# KiCad board handheld.kicad_pcb (continued)
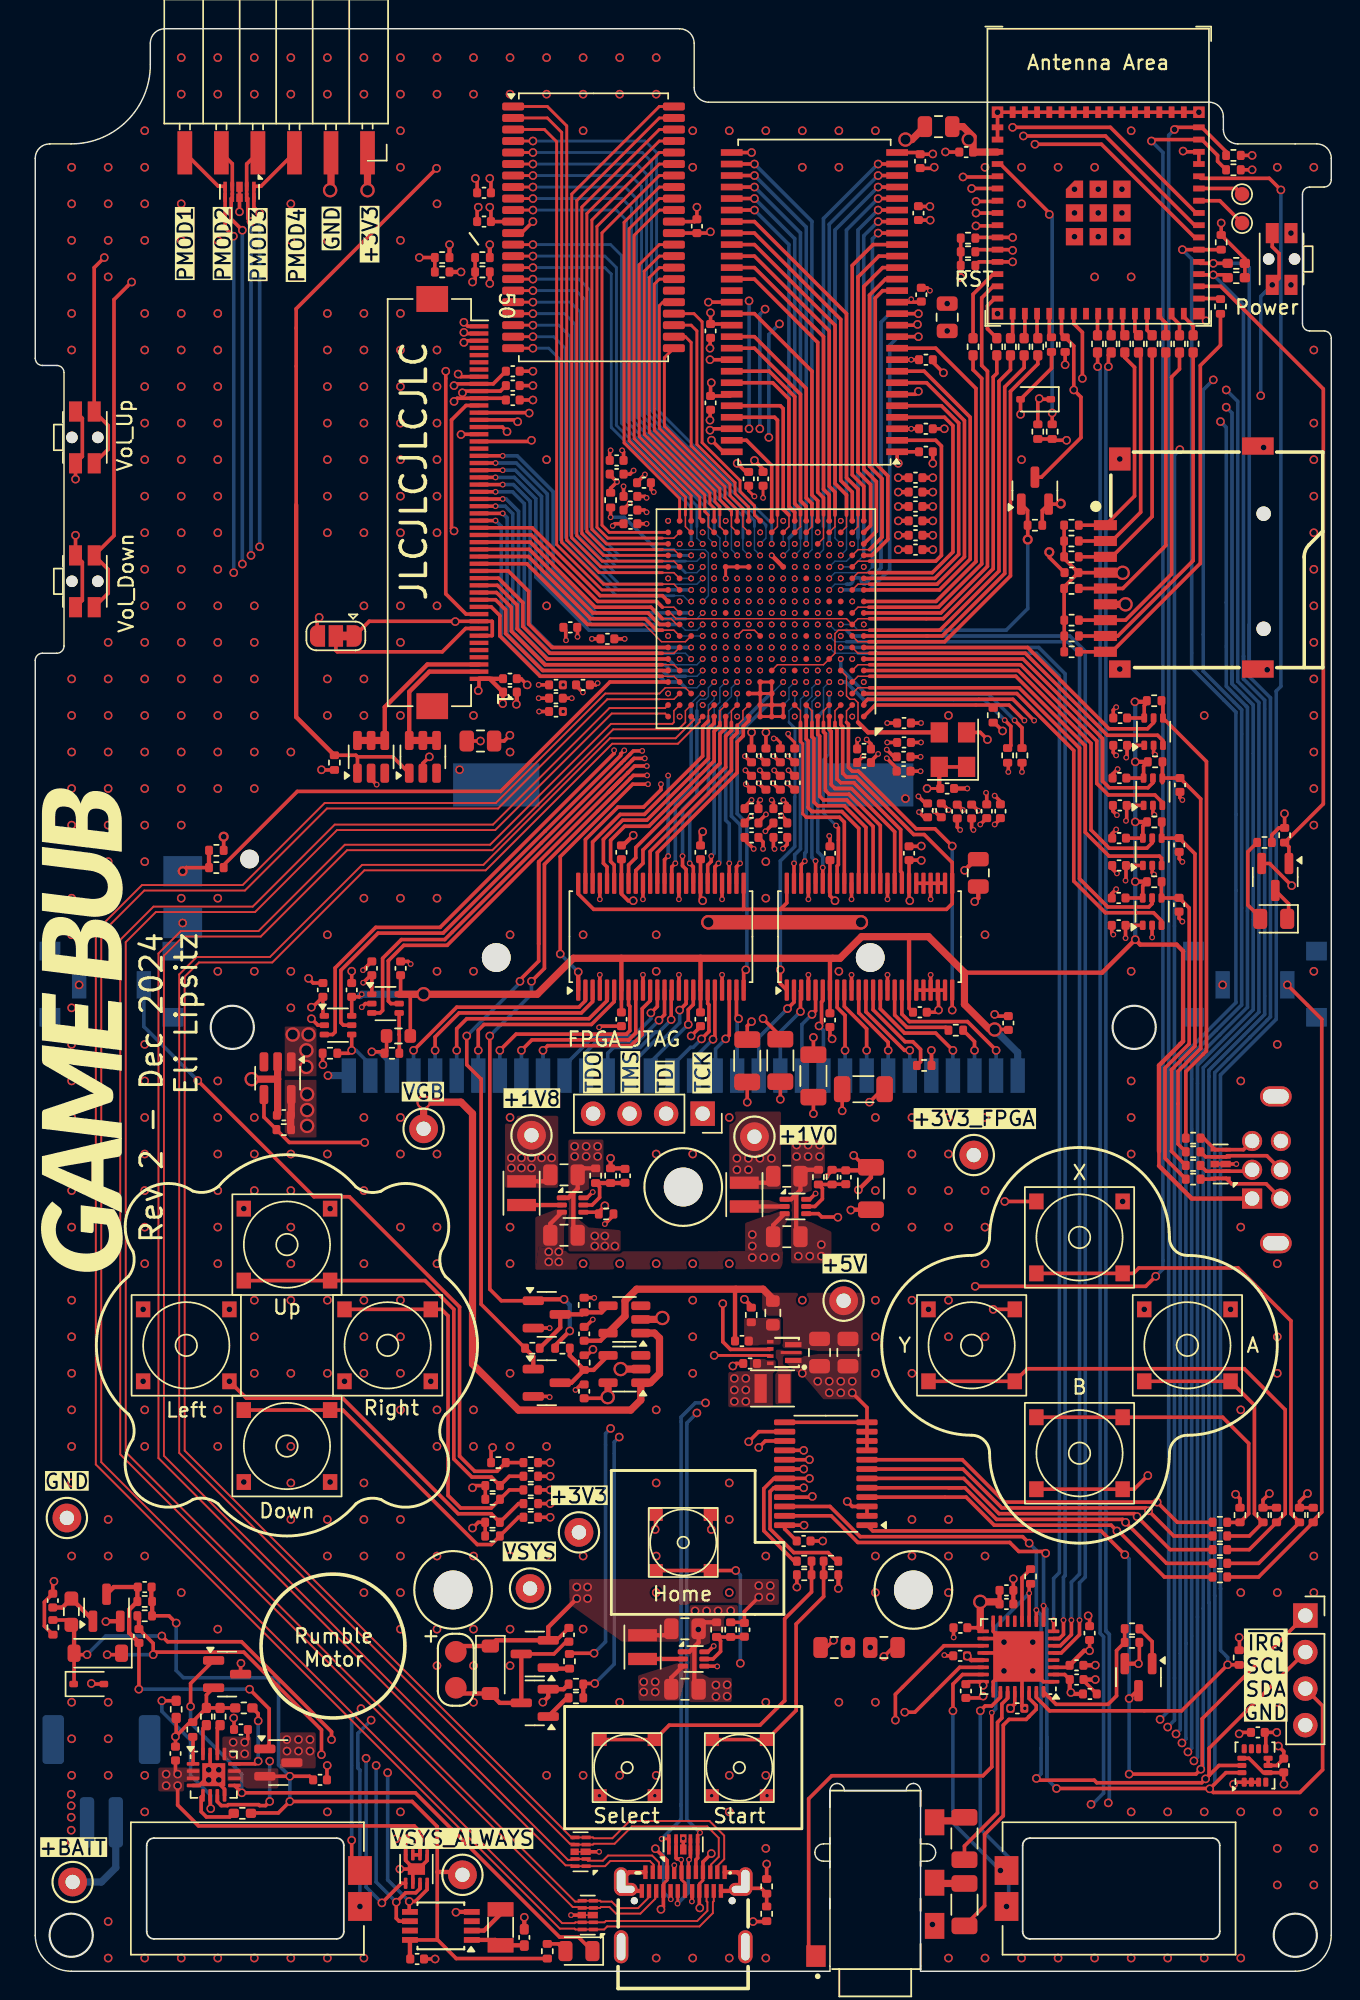
[diagram p0: board, top side]
## Nets (continued)
/ESP32-S3/ESP32_SDIO_CLK: R416.2 U401.28
/ESP32-S3/ESP32_SDIO_CMD: R418.1 U401.27
/ESP32-S3/ESP32_SDIO_D0: R417.2 U401.29
/ESP32-S3/ESP32_SDIO_D1: R419.1 U401.30
/ESP32-S3/ESP32_SDIO_D2: R415.1 U401.25
/ESP32-S3/ESP32_SDIO_D3: R414.2 U401.26
/ESP32-S3/ESP32_SPI2_CLK: R410.1 U401.16
/ESP32-S3/ESP32_SPI2_D0: R409.1 U401.15
/ESP32-S3/ESP32_SPI2_D1: R411.1 U401.17
/ESP32-S3/ESP32_SPI2_D2: R413.1 U401.18
/ESP32-S3/ESP32_SPI2_D3: R408.1 U401.13
/ESP32-S3/ESP32_TX: TP401.1 U401.39
/ESP32-S3/ESP32_USB_D+: R402.1 U401.24
/ESP32-S3/ESP32_USB_D-: R406.1 U401.23
/ESP32-S3/SD_Detect: R427.2 U401.31
/ESP32-S3/SD_Detect_s: J402.9 R426.1 R427.1
/ESP32-S3/SDIO_CLK: J402.5 R416.1 R423.2
/ESP32-S3/SDIO_CMD: J402.3 R418.2 R422.2
/ESP32-S3/SDIO_D0: J402.7 R417.1 R424.2
/ESP32-S3/SDIO_D1: J402.8 R419.2 R425.2
/ESP32-S3/SDIO_D2: J402.1 R415.2 R420.2
/ESP32-S3/SDIO_D3/~{CS}: J402.2 R414.1 R421.2
/ESP32-S3/STATUS_LED: Q401.1 R412.2 U401.32
/ESP32-S3/Status_LED_A: D401.2 R407.2
/ESP32-S3/Status_LED_K: D401.1 Q401.3
/FPGA Config/FPGA_JTAG_TCK: J701.1 U601.E10
/FPGA Config/FPGA_JTAG_TDI: J701.2 U601.E11
/FPGA Config/FPGA_JTAG_TDO: J701.4 U601.E13
/FPGA Config/FPGA_JTAG_TMS: J701.3 U601.E12
/FPGA IO Bank 14/FPGA_PUDC_B: R801.1 U601.L15
/FPGA IO Bank 14/PMOD_1: D801.5 D801.6 J801.6 U601.M14
/FPGA IO Bank 14/PMOD_2: D801.4 D801.7 J801.5 U601.N14
/FPGA IO Bank 14/PMOD_3: D801.2 D801.9 J801.4 U601.P14
/FPGA IO Bank 14/PMOD_4: D801.1 D801.10 J801.3 U601.M13
/FPGA IO Bank 16/BANK16_VCCO: U601.A8 U601.A9 U601.A10 U601.B8 U601.B9 U601.B10 U601.C9 U601.C10 U601.C11 U601.D9 U601.D10
/FPGA IO Bank 35/FPGA_IRQ: Q1201.1 R1203.1 U601.J3
/FPGA IO Bank 35/USB_SBU_1: R1201.2 U601.F3
/FPGA IO Bank 35/USB_SBU_2: R1202.2 U601.D3
/Game Boy Interfaces/Game Boy Cartridge/Cart_A16: J1901.22 U1902.12
/Game Boy Interfaces/Game Boy Cartridge/Cart_A17: J1901.23 U1902.11
/Game Boy Interfaces/Game Boy Cartridge/Cart_A18: J1901.24 U1902.9
/Game Boy Interfaces/Game Boy Cartridge/Cart_A19: J1901.25 U1902.8
/Game Boy Interfaces/Game Boy Cartridge/Cart_A20: J1901.26 U1902.6
/Game Boy Interfaces/Game Boy Cartridge/Cart_A21: J1901.27 U1902.5
/Game Boy Interfaces/Game Boy Cartridge/Cart_A22: J1901.28 U1902.3
/Game Boy Interfaces/Game Boy Cartridge/Cart_A23: J1901.29 U1902.2
/Game Boy Interfaces/Game Boy Cartridge/Cart_AD0: J1901.6 U1904.12
/Game Boy Interfaces/Game Boy Cartridge/Cart_AD1: J1901.7 U1904.11
/Game Boy Interfaces/Game Boy Cartridge/Cart_AD2: J1901.8 U1904.9
/Game Boy Interfaces/Game Boy Cartridge/Cart_AD3: J1901.9 U1904.8
/Game Boy Interfaces/Game Boy Cartridge/Cart_AD4: J1901.10 U1904.6
/Game Boy Interfaces/Game Boy Cartridge/Cart_AD5: J1901.11 U1904.5
/Game Boy Interfaces/Game Boy Cartridge/Cart_AD6: J1901.12 U1904.3
/Game Boy Interfaces/Game Boy Cartridge/Cart_AD7: J1901.13 U1904.2
/Game Boy Interfaces/Game Boy Cartridge/Cart_AD8: J1901.14 U1902.23
/Game Boy Interfaces/Game Boy Cartridge/Cart_AD9: J1901.15 U1902.22
/Game Boy Interfaces/Game Boy Cartridge/Cart_AD10: J1901.16 U1902.20
/Game Boy Interfaces/Game Boy Cartridge/Cart_AD11: J1901.17 U1902.19
/Game Boy Interfaces/Game Boy Cartridge/Cart_AD12: J1901.18 U1902.17
/Game Boy Interfaces/Game Boy Cartridge/Cart_AD13: J1901.19 U1902.16
/Game Boy Interfaces/Game Boy Cartridge/Cart_AD14: J1901.20 U1902.14
/Game Boy Interfaces/Game Boy Cartridge/Cart_AD15: J1901.21 U1902.13
/Game Boy Interfaces/Game Boy Cartridge/Cart_PHI: J1901.2 U1904.17
/Game Boy Interfaces/Game Boy Cartridge/Cart_VIN: J1901.31 R1903.2 U1903.4
/Game Boy Interfaces/Game Boy Cartridge/Cart_~{CS1}: R1902.1 U1904.13
/Game Boy Interfaces/Game Boy Cartridge/Cart_~{CS1}_d: J1901.5 R1902.2
/Game Boy Interfaces/Game Boy Cartridge/Cart_~{CS2}: R1905.2 U1901.4
/Game Boy Interfaces/Game Boy Cartridge/Cart_~{CS2}_d: J1901.30 R1904.2 R1905.1
/Game Boy Interfaces/Game Boy Cartridge/Cart_~{RD}: J1901.4 U1904.14
/Game Boy Interfaces/Game Boy Cartridge/Cart_~{WR}: R1901.2 U1904.16
/Game Boy Interfaces/Game Boy Cartridge/Cart_~{WR}_d: J1901.3 R1901.1
/Game Boy Interfaces/Game Boy Link/Link_SC: R2004.2 R2008.2 U2004.4
/Game Boy Interfaces/Game Boy Link/Link_SC_a: D2001.5 D2001.6 J2001.5 R2004.1
/Game Boy Interfaces/Game Boy Link/Link_SD: C2001.1 R2003.2 R2006.2 U2002.4
/Game Boy Interfaces/Game Boy Link/Link_SD_a: D2001.4 D2001.7 J2001.4 R2003.1
/Game Boy Interfaces/Game Boy Link/Link_SI: C2002.1 R2002.2 R2007.2 U2003.4
/Game Boy Interfaces/Game Boy Link/Link_SI_a: D2001.2 D2001.9 J2001.3 R2002.1
/Game Boy Interfaces/Game Boy Link/Link_SO: C2003.1 R2001.2 R2005.2 U2001.4
/Game Boy Interfaces/Game Boy Link/Link_SO_a: D2001.1 D2001.10 J2001.2 R2001.1
/Game Boy Interfaces/SW_Cartridge_s: R1803.2 R1805.1 SW1801.1
/Game Boy Interfaces/VGB_3V3_SW_En: Q1802.3 R1804.2 R1806.2 U1802.4
/Game Boy Interfaces/VGB_5V_SW_En: Q1801.3 R1801.2 R1802.2 U1801.4
/LCD/Backlight_Cathode_1: J1301.2 U1301.4 U1301.5 U1301.6
/LCD/Backlight_Cathode_2: J1301.3 U1302.4 U1302.5 U1302.6
/LCD/LCD_IM1: J1301.8 JP1301.2
/Peripherals/RTC_INT: U1502.3
/Peripherals/RTC_OSCI: C1505.2 U1502.1 Y1501.1
/Peripherals/RTC_OSCO: U1502.2 Y1501.2
/Peripherals/Vibrate_FET_g: Q1502.1 R1503.2
/Peripherals/Vibrate_N: C1503.1 D1501.2 J1501.2 Q1501.3 Q1502.3
/Peripherals/~{Vibrate_Brake}_g: Q1501.1 R1502.2
/Power Path/BTN_Power_s: C207.2 D204.1 R209.2 SW201.1
/Power Path/Charge_LED_A: D201.2 R207.2
/Power Path/PWR_EN1: R202.2 U202.6
/Power Path/PWR_EN2: R203.2 U202.5
/Power Path/PWR_ILIM: R205.1 U202.12
/Power Path/PWR_ISET: R206.2 U202.16
/Power Path/PWR_SW_nFET_g: C205.2 Q203.1 R212.1
/Power Path/PWR_SW_pFET_g: C206.2 C207.1 Q202.1 Q203.3 R210.2
/Power Path/PWR_TMR: R201.1 U202.14
/Power Path/PWR_TS: R204.1 U202.1
/Power Path/~{CHG}: D201.1 Q201.1 U202.9
/Power Path/~{POWER_SW_a}: D202.2 D203.1 D204.2 R211.2 R212.2 R213.1
/Power Regulators/Boost_5V_FB: C305.1 R304.2 R307.1 U302.4
/Power Regulators/Boost_5V_SW: L302.2 U302.2
/Power Regulators/Buck_1V0_FB: C303.1 R301.2 R302.1 U301.5
/Power Regulators/Buck_1V0_SW: L301.1 U301.2
/Power Regulators/Buck_1V8_FB: C310.1 R306.2 R308.1 U303.5
/Power Regulators/Buck_1V8_SW: L303.1 U303.2
/Power Regulators/Buck_3V3_FB: C313.1 R309.2 R310.1 U304.5
/Power Regulators/Buck_3V3_SW: L304.1 U304.2
/USB/USB_CC1: J501.A5 R501.1
/USB/USB_CC2: J501.B5 R502.1
BATT_CHG: Q201.3 R208.2 U401.35
BTN_A: R1612.1 U601.N5 U1601.7
BTN_B: R1616.1 U601.P5 U1601.8
BTN_Down: R1615.1 U601.H5 U1601.18
BTN_Home: R1621.1 U401.4
BTN_L: R1624.1 U601.E6 U1601.14
BTN_Left: R1609.1 U601.G6 U1601.17
BTN_R: R1627.1 U601.L5 U1601.4
BTN_Right: R1610.1 U601.F5 U1601.16
BTN_Select: R1620.1 U601.J5 U1601.19
BTN_Start: R1622.1 U601.K5 U1601.20
BTN_Up: R1603.1 U601.E5 U1601.15
BTN_VOL_DOWN: R1630.1 U401.36
BTN_VOL_UP: R1628.1 U401.37
BTN_X: R1604.1 U601.L6 U1601.5
BTN_Y: R1611.1 U601.M6 U1601.6
DAC_BCLK: U601.G3 U1701.7
DAC_DIN: U601.J4 U1701.5
DAC_MCLK: U601.G4 U1701.8
DAC_WCLK: U601.H4 U1701.6
DAC_~{RESET}: R1701.1 U401.41 U1701.31
FPGA_CLK_50MHz: U601.E3 X701.3
FPGA_DONE: R701.1 U401.10 U601.P10
FPGA_INIT_B: R702.1 U401.12 U601.P7
FPGA_POWER_EN: R305.1 U301.4 U302.5 U401.44
FPGA_PROGRAM_B: R703.1 U401.11 U601.P9
FPGA_SPI_CLK: R410.2 U601.E9 U601.F4
FPGA_SPI_D0: R409.2 U601.J2 U601.K18
FPGA_SPI_D1: R411.2 U601.H1
FPGA_SPI_D2: R413.2 U601.H2
FPGA_SPI_D3: R408.2 U601.K2
FPGA_SPI_~{CS}: U401.14 U601.K1
GB_3V3_Enable: Q1801.1 R1804.1 U601.G13
GB_5V_Enable: Q1802.1 R1801.1 U601.G14
GB_Cart_A16: U601.A11 U1902.37
GB_Cart_A17: U601.B11 U1902.38
GB_Cart_A18: U601.B12 U1902.40
GB_Cart_A19: U601.A13 U1902.41
GB_Cart_A20: U601.B13 U1902.43
GB_Cart_A21: U601.A14 U1902.44
GB_Cart_A22: U601.B14 U1902.46
GB_Cart_A23: U601.J13 U1902.47
GB_Cart_AD0: U601.B6 U1904.37
GB_Cart_AD1: U601.A6 U1904.38
GB_Cart_AD2: U601.B7 U1904.40
GB_Cart_AD3: U601.C4 U1904.41
GB_Cart_AD4: U601.D4 U1904.43
GB_Cart_AD5: U601.C5 U1904.44
GB_Cart_AD6: U601.D5 U1904.46
GB_Cart_AD7: U601.C6 U1904.47
GB_Cart_AD8: U601.D8 U1902.26
GB_Cart_AD9: U601.C12 U1902.27
GB_Cart_AD10: U601.D12 U1902.29
GB_Cart_AD11: U601.D13 U1902.30
GB_Cart_AD12: U601.C14 U1902.32
GB_Cart_AD13: U601.D14 U1902.33
GB_Cart_AD14: U601.C15 U1902.35
GB_Cart_AD15: U601.F13 U1902.36
GB_Cart_PHI: U601.B3 U1904.32
GB_Cart_VIN: U601.L13 U1903.3
GB_Cart_~{CS1}: U601.A5 U1904.36
GB_Cart_~{CS2}: U601.J14 U1901.3
GB_Cart_~{OE}: U601.A3 U1902.25 U1902.48 U1904.25 U1904.48
GB_Cart_~{RD}: U601.B4 U1904.35
GB_Cart_~{WR}: U601.A4 U1904.33
GB_Dir_Cart0: U601.F14 U1902.1
GB_Dir_Cart1: U601.D7 U1902.24
GB_Dir_Cart2: U601.C7 U1904.1
GB_Dir_Cart3: U601.B2 U1904.24
GB_Dir_SC: U601.G1 U2004.5
GB_Dir_SD: U601.F1 U2002.5
GB_Dir_SI: U601.E1 U2003.5
GB_Dir_SO: U601.C2 U2001.5
GB_Dir_VIN: U601.L14 U1903.5
GB_Dir_~{CS2}: U601.H14 U1901.5
GB_Link_SC: U601.G2 U2004.3
GB_Link_SD: U601.E2 U2002.3
GB_Link_SI: U601.D2 U2003.3
GB_Link_SO: U601.C1 U2001.3
HDMI_CLK+: D503.4 D503.7 J501.A10 U601.A16
HDMI_CLK-: D503.5 D503.6 J501.A11 U601.A15
HDMI_D0+: D502.2 D502.9 J501.B3 U601.C17
HDMI_D0-: D502.1 D502.10 J501.B2 U601.C16
HDMI_D1+: D503.1 D503.10 J501.A2 U601.B17
HDMI_D1-: D503.2 D503.9 J501.A3 U601.B16
HDMI_D2+: D502.5 D502.6 J501.B11 U601.A18
HDMI_D2-: D502.4 D502.7 J501.B10 U601.B18
I2C0_SCL: J401.2 R404.2 U201.7 U401.33 U1501.13 U1502.6 U1601.22 U1701.10
I2C0_SDA: J401.3 R405.2 U201.8 U401.34 U1501.14 U1502.5 U1601.23 U1701.9
LCD_BACKLIGHT: R1301.1 U401.38 U1301.1 U1302.1
LCD_D/~{CX}: J1301.37 U401.7
LCD_DATA_EN: J1301.14 U601.F18
LCD_DB0: J1301.32 U601.K16
LCD_DB1: J1301.31 U601.K15
LCD_DB2: J1301.30 U601.J15
LCD_DB3: J1301.29 U601.H15
LCD_DB4: J1301.28 U601.G16
LCD_DB5: J1301.27 U601.F16
LCD_DB6: J1301.26 U601.F15
LCD_DB7: J1301.25 U601.E16
LCD_DB8: J1301.24 U601.E15
LCD_DB9: J1301.23 U601.D15
LCD_DB10: J1301.22 U601.L18
LCD_DB11: J1301.21 U601.K17
LCD_DB12: J1301.20 U601.J17
LCD_DB13: J1301.19 U601.J18
LCD_DB14: J1301.18 U601.H17
LCD_DB15: J1301.17 U601.H16
LCD_DB16: J1301.16 U601.G18
LCD_DB17: J1301.15 U601.G17
LCD_DOTCLK: J1301.13 U601.E17
LCD_HSYNC: J1301.12 U601.E18
LCD_SPI_CLK: J1301.36 U401.8
LCD_SPI_PICO: J1301.34 U401.9
LCD_TE: J1301.39 U601.T11
LCD_VSYNC: J1301.11 U601.D17
LCD_~{CS}: J1301.38 U401.6
LCD_~{RST}: J1301.10 U401.5
MCU_~{IRQ}: J401.1 Q1201.3 Q1701.3 R403.2 U201.5 U401.20 U1601.1
SDRAM_0_~{CS}: U601.V1 U1401.19
SDRAM_A0: U601.R3 U1401.23
SDRAM_A1: U601.T3 U1401.24
SDRAM_A2: U601.T4 U1401.25
SDRAM_A3: U601.R5 U1401.26
SDRAM_A4: U601.R6 U1401.29
SDRAM_A5: U601.T6 U1401.30
SDRAM_A6: U601.R7 U1401.31
SDRAM_A7: U601.R8 U1401.32
SDRAM_A8: U601.T8 U1401.33
SDRAM_A9: U601.U2 U1401.34
SDRAM_A10: U601.P4 U1401.22
SDRAM_A11: U601.V2 U1401.35
SDRAM_A12: U601.U3 U1401.36
SDRAM_BS0: U601.N4 U1401.20
SDRAM_BS1: U601.P3 U1401.21
SDRAM_CKE: U601.U4 U1401.37
SDRAM_CLK: U601.V4 U1401.38
SDRAM_DQ0: U601.P2 U1401.2
SDRAM_DQ1: U601.N2 U1401.4
SDRAM_DQ2: U601.N1 U1401.5
SDRAM_DQ3: U601.M2 U1401.7
SDRAM_DQ4: U601.M1 U1401.8
SDRAM_DQ5: U601.L1 U1401.10
SDRAM_DQ6: U601.M3 U1401.11
SDRAM_DQ7: U601.M4 U1401.13
SDRAM_DQ8: U601.V5 U1401.42
SDRAM_DQ9: U601.U6 U1401.44
SDRAM_DQ10: U601.V6 U1401.45
SDRAM_DQ11: U601.U7 U1401.47
SDRAM_DQ12: U601.V7 U1401.48
SDRAM_DQ13: U601.U8 U1401.50
SDRAM_DQ14: U601.U9 U1401.51
SDRAM_DQ15: U601.V9 U1401.53
SDRAM_LDQM: U601.R1 U1401.15
SDRAM_UDQM: U601.T5 U1401.39
SDRAM_~{CAS}: U601.T1 U1401.17
SDRAM_~{RAS}: U601.U1 U1401.18
SDRAM_~{WE}: U601.R2 U1401.16
SRAM_A0: U601.N17 U1402.1
SRAM_A1: U601.M17 U1402.2
SRAM_A2: U601.M18 U1402.3
SRAM_A3: U601.T9 U1402.4
SRAM_A4: U601.T10 U1402.5
SRAM_A5: U601.P15 U1402.18
SRAM_A6: U601.N16 U1402.19
SRAM_A7: U601.N15 U1402.20
SRAM_A8: U601.M16 U1402.21
SRAM_A9: U601.L16 U1402.22
SRAM_A10: U601.V12 U1402.23
SRAM_A11: U601.U11 U1402.24
SRAM_A12: U601.V11 U1402.25
SRAM_A13: U601.V10 U1402.26
SRAM_A14: U601.U12 U1402.27
SRAM_A15: U601.R18 U1402.42
SRAM_A16: U601.P17 U1402.43
SRAM_A17: U601.P18 U1402.44
SRAM_IO0: U601.R11 U1402.7
SRAM_IO1: U601.R12 U1402.8
SRAM_IO2: U601.T13 U1402.9
SRAM_IO3: U601.R13 U1402.10
SRAM_IO4: U601.T14 U1402.13
SRAM_IO5: U601.T15 U1402.14
SRAM_IO6: U601.T16 U1402.15
SRAM_IO7: U601.R16 U1402.16
SRAM_IO8: U601.U13 U1402.29
SRAM_IO9: U601.V14 U1402.30
SRAM_IO10: U601.U14 U1402.31
SRAM_IO11: U601.V15 U1402.32
SRAM_IO12: U601.V16 U1402.35
SRAM_IO13: U601.U16 U1402.36
SRAM_IO14: U601.V17 U1402.37
SRAM_IO15: U601.U18 U1402.38
SRAM_~{CE}: U601.R10 U1402.6
SRAM_~{LB}: U601.U17 U1402.39
SRAM_~{OE}: U601.R17 U1402.41
SRAM_~{UB}: U601.T18 U1402.40
SRAM_~{WE}: U601.R15 U1402.17
SW_Cartridge: R1803.1 U601.D18
USB_D+: D501.2 D501.9 J501.A6 J501.B6 R402.2
USB_D-: D501.4 D501.7 J501.A7 J501.B7 R406.2
USB_SBU1: D501.5 D501.6 J501.A8 R1201.1
USB_SBU2: D501.1 D501.10 J501.B8 R1202.1
VGB: C1901.2 C1902.2 C1905.2 C1907.2 C1908.2 C1910.2 C1911.2 C2004.2 C2006.2 C2008.2 C2010.2 J1901.1 J2001.1 R1904.1 R2005.1 R2006.1 R2007.1 R2008.1 TP1801.1 U1801.1 U1802.1 U1901.6 U1902.7 U1902.18 U1903.6 U1904.7 U1904.18 U2001.6 U2002.6 U2003.6 U2004.6
Vibrate_En: R1503.1 R1504.1 U601.B1
VSYS: C205.1 C302.1 C304.1 C309.1 C312.1 C1705.1 C1706.2 C1707.1 C1708.2 L302.1 Q202.3 R211.1 R303.1 TP203.1 U301.3 U302.7 U303.3 U304.3 U304.4 U1701.21 U1701.24
VSYS_ALWAYS: C203.1 C206.1 C1504.2 Q202.2 R203.1 R207.1 R209.1 R210.1 TP202.1 U202.10 U202.11 U1502.8
~{POWER_SW}: R213.2 U401.19
~{VBUS_PGOOD}: U202.7 U401.21
~{Vibrate_Brake}: R1501.2 R1502.1 U601.A1

Pads without a net: J201 MP; J1301 4 5 6 33 44 45 46 47 MP; U305 3; U401 22; U601 E7 F6 H6 K3 K6 K13 L3 L4 N6; U1301 3; U1302 3; U1401 40; U1402 28; U1501 4 9 10 11; U1502 7; U1701 4 13 14 15; U1801 3; U1802 3

## Via types
v1: diameter 0.6, hole 0.4, F.Cu (SIG) to B.Cu (SIG), 987 vias
v2: diameter 1, hole 0.7, F.Cu (SIG) to B.Cu (SIG), 23 vias
v3: diameter 0.4, hole 0.25, F.Cu (SIG) to B.Cu (SIG), 397 vias
v4: diameter 0.7, hole 0.4, F.Cu (SIG) to B.Cu (SIG), 5 vias

## Routing (per net, layer and track width the routed paths; a pad name or vN(x,y) marks a point on that pad's centre or on a via; arc(x,y) is an arc through that point)
+1V0: length 26.2
  F.Cu (SIG) w0.2: C617.1 50.6,102.44 ; 49.95,102.55 49.6,102.89 C618.1 ; C616.1 51.8,85.4 51.52,85.68 v3(51.34,85.68) ; C615.1 52.8,85.4 52.34,85.86 v3(52.34,86)
  F.Cu (SIG) w0.25: v3(51.4,78) 51.32,78.08 C608.1 ; C620.1 v1(50.8,86.1) ; 49.76,83.08 v3(49.37,83.46) ; C303.2 55.44,55.66 ; 49.32,80.92 v3(49.8,81.4) ; C614.1 v1(49.8,86.1) ; 55.4,55.65 v3(55.01,55.26) ; 52.76,83.08 v3(52.37,83.46) ; 57.72,55.88 v1(56.9,56.7) ; 49.32,79.83 v3(49.74,80.25) ; 50.76,83.08 v3(50.37,83.46) ; C619.1 v1(56.1,59.8) ; C603.1 v1(49.5,60.4) ; v3(52,81.4) 52.28,81.12 C607.1 ; 49.32,78.63 v3(49.95,78) ; 52.28,79.93 v3(51.86,80.35) ; C601.1 v1(54.1,59.6) ; 51.76,83.08 v3(51.37,83.46) ; C602.1 v1(51.8,60.6)
  F.Cu (SIG) w0.3: L301.2 50.85,54.8 C301.1 ; v3(50,102.5) 49.99,102.5 49.95,102.55 ; v1(57.23,54.3) 58.1,55.17 C604.1 ; C303.2 57.88,55.66 ; 50.6,102.44 v3(50.6,102.4)
  vias: v1(48.78,56.5) v1(48.78,55.7) v1(49.58,56.5) v1(49.58,55.7) v1(50.38,56.5) v1(51.18,56.5) v3(49.6,96.8) v3(49.6,95.2) v3(49.6,93.6) v3(49.6,92) v3(50.4,96) v3(50.4,91.2) v3(51.2,96.8) v3(51.2,92) v3(52,96) v3(52,94.4) v3(52,92.8) v3(52,91.2) v3(52.8,96.8) v3(52.8,95.2) v3(52.8,93.6) v3(52.8,92)
+1V8: length 81.6
  F.Cu (SIG) w0.1: v3(48.8,92.8) 49.2,93.2 50,93.2 U601.H10
  F.Cu (SIG) w0.25: 36.88,93.2 36.88,92.52 ; 36.72,93.28 36.7,93.3 ; C626.1 v3(40.98,92.6) ; C1710.2 71.77,21.12 U1701.3 ; v1(33,85.9) 32.6,85.5 C622.1 ; v3(39.1,89.53) 38.97,89.4 C627.1 38.56,89.26 ; C1709.1 v1(73.3,22.27) ; C624.1 v3(37.3,88.47)
  F.Cu (SIG) w0.3: L303.2 35.36,54.9 C308.1 ; v1(73.3,22.27) 72.92,22.27 C1710.2 ; C310.2 40.96,55.8 R306.1 v1(40,56.5)
  In3.Cu (PWR) w0.5: 40.24,55.92 43.76,52.4 52,52.4 52.4,52 52.4,37.4 49.4,34.4 49.4,25.4 ; 49.4,25.4 49.4,24.4 50,23.8 71.77,23.8 v1(73.3,22.27) ; 49.4,25.4 49.4,24.8
  vias: v1(33.1,56.53) v1(33.1,55.83) v1(33.8,56.53) v1(33.8,55.83) v1(34.5,56.53) v1(34.5,55.83) v1(35.2,56.53) v1(35.9,56.53) v3(36.7,89.4) v3(36.7,87.55) v3(36.9,92.5) v3(48.8,96) v3(48.8,94.4) v3(48.8,91.2)
+3V3: length 123.9
  F.Cu (SIG) w0.25: C1601.1 52.1,30.74 U1601.24 v1(53.45,31) ; v1(88.45,33.2) 87.9,32.64 R1602.1 R1625.1 ; 86.78,13.8 U1501.5 85.38,13.8 84.38,14.8 U1501.12 ; v2(39.8,39.9) 39.72,39.82 C1802.2 ; R407.1 85.97,78.97 86.46,79.46 R412.1 86.86,80.44 v1(86.85,80.45) ; C1712.2 71.57,20.62 U1701.2 ; v1(86.81,13) 86.8,13.01 C1502.2 ; U1701.28 68.1,18.57 v1(67.8,18.27) ; R1618.1 69.7,109.2 v1(69.8,109.3) 69.85,109.25 D202.1 ; Q1501.2 36.24,23 C1503.2 ; R401.1 v1(84.6,126.2) ; C1304.2 32.34,109.82 J1301.41 29.82,109.82 v1(29.7,109.7) ; R1607.1 R1608.1 85.35,32.75 v1(85.8,33.2) ; v1(50.3,26) 49.3,25 C313.2 49.26,24.25 R309.1 ; R1614.1 83.75,32.84 v1(83.45,33.15) ; R422.1 R421.1 R420.1 ; C1303.2 31.84,110.32 J1301.42 29.23,110.32 v1(29.11,110.2) ; v1(29.12,109.1) 29.34,109.32 J1301.40 32.6,109.32 ; C1501.1 v1(86.31,16.6) ; v1(32.5,88.1) 32.52,88.12 C1302.2 ; R1606.1 R1601.1 30.55,33.75 v1(30.4,33.6) ; v1(30.4,30.8) 30.8,31.2 R1605.1 R1613.1 ; R404.1 84.1,118.7 R405.1 84.09,119.03 R208.1 v1(82.45,121.5) ; v1(30.8,89) 30.85,89.05 J1301.1 ; R403.1 v1(71.6,111.65) ; C1704.2 65.65,23.87 U1701.17 ; J1301.7 31.75,92.82 31.78,92.84 31.78,93.8 31.75,93.82 J1301.9 29.22,93.82 v1(29.2,93.8) 29.18,93.82 23.22,93.82 JP1301.1 ; v1(31.8,36.4) 31.69,36.29 R1623.1 ; 71.53,98.19 C403.2 71.53,96.21 ; R426.2 R425.1 R424.1 71.53,93.91 R423.1 ; 72.83,97.2 J402.4 ; R1617.1 v1(52.95,26.7) ; 85.55,16.53 U1501.8
  F.Cu (SIG) w0.3: 55.84,27.5 55.84,26.61 v1(55.83,26.6) ; R1626.1 v1(29.6,118.1) ; J1501.1 29.64,22.6 D1501.1 32.04,23 Q1501.2 35.66,23.91 v1(37.65,25.9) ; C1711.1 72.1,19.27 v1(72,19.37) 71.92,19.45 C1712.2 ; J1301.1 31.6,89.82 C1302.2 ; J1301.1 31.75,89.82 ; J1301.1 32.51,89.82 ; L304.2 43.77,23.35 C311.1 ; C1703.1 C1701.1 ; R1629.1 v1(31.6,117.3)
  F.Cu (SIG) w0.5: C1701.1 66.89,25.67 v2(65.7,25.67) 65.7,23.92 65.65,23.87 ; R311.1 17.76,58.52 C314.2 17.8,59.53 U305.5 ; v2(39.8,39.9) 39.82,39.92 39.82,40.9 ; 66.88,126.43 C401.2 65.2,127.5 64.5,128.2 C402.1
  In3.Cu (PWR) w0.5: v1(67.8,18.27) 68.9,19.37 v1(72,19.37) 73.79,19.37 74.7,20.28 74.7,25.6
  vias: v1(37.65,26.7) v1(38.4,26.7) v1(38.4,25.9) v1(50.3,26.8) v1(51.1,26.8) v1(51.1,26) v2(18.9,60.95) v2(18.9,59.85) v2(18.9,58.75) v2(64.9,127.3) v2(75.6,97.19)
+3V3_FPGA: length 92.6
  F.Cu (SIG) w0.2: U601.P11 U601.P12 U601.P13 v3(48,96.8) ; C702.2 v1(62,82.2)
  F.Cu (SIG) w0.25: C902.1 65.1,79.45 v3(65.23,79.32) ; C804.1 v3(42.5,100.6) ; v1(41.57,74.4) 41.23,74.4 40.75,74.88 U1902.42 ; v3(40,105.7) 39.94,105.64 C806.1 ; v1(60.8,74.4) 60.75,74.45 U1904.31 60.75,77.12 ; U1902.31 46.25,74.55 v1(46.4,74.4) ; C1409.1 31.68,124.52 v1(31.6,124.6) ; U1401.27 61.4,126.4 ; X701.4 X701.1 ; v3(59.2,84.9) 59.7,84.4 C1205.1 ; v3(75.83,79.95) 75.88,80 C2007.2 U2002.1 ; C1406.2 U1401.1 59.92,104.88 v1(60,104.8) ; v1(55.6,74.4) 55.25,74.75 U1904.42 C1913.2 ; C1403.2 U1401.9 ; C1204.1 v3(59.23,85.4) ; v1(20,63) 19.98,63.02 R1903.1 ; C1405.2 46.95,110.35 v1(47,110.4) ; U2003.1 C2009.2 75.83,75.83 v3(75.8,75.8) ; 61.39,122.65 62.31,122.65 ; C904.1 61.89,81.16 v3(61.4,81.65) ; C1206.1 59.89,83.61 v3(59.2,84.3) ; U1401.49 48.3,109.48 46.92,109.48 ; v3(75.85,84.35) 75.91,84.41 C2011.2 U2004.1 ; C1903.2 46.25,75.67 ; C906.1 66.15,81.85 v3(66.1,81.9) ; C802.1 42.4,102.5 v3(42.5,102.4) ; U1903.1 20,66.5 C1909.2 19.28,67 v1(19.2,67) ; 39.94,104.01 v3(40.44,103.5) 40,103.06 R801.2 ; C801.1 42.8,103 v3(43,102.8) ; C1201.1 57.14,85.54 v3(57.2,85.6) ; C905.1 67.1,81.3 v3(66.7,81.7) ; v1(67.25,86.2) 66.67,86.78 R1501.1 ; C1404.2 46.95,115.26 v1(46.94,115.26) ; v1(64.35,117.7) 64.34,117.71 R702.2 R703.2 R701.2 ; C1401.2 62.38,126.28 v1(62.4,126.3) ; U1402.33 C1411.2 46.85,120.8 v1(46.94,120.89) ; U1401.14 61.44,116 ; C901.1 64.1,79.52 v3(64.3,79.32) ; C1407.2 v3(60.9,107.2) U1401.3 ; v3(22.8,68.7) 23.32,69.22 C1906.2 U1901.1 ; C1912.2 61.58,77.22 v1(61.6,77.2) ; C803.1 42.35,101.55 v3(42.5,101.4) ; C903.1 63.04,81.16 v3(63.5,80.7) ; v3(75.8,71.8) C2005.2 U2001.1 ; 57.14,84.03 v3(57.55,84.44) ; v1(31.6,122.6) 31.68,122.52 C1410.2 U1402.11 ; C1203.1 v3(59.23,86.75) ; 46.92,114.48 48.34,114.48 ; 40.75,77.18 40.75,75.67
  F.Cu (SIG) w0.3: C1101.1 v1(60,101.8) ; C1106.1 v1(60,102.8) ; C1102.1 v1(60,100.8) ; v3(51.2,98.4) U601.P8 ; 65.39,77.29 v1(64.61,76.51) ; C1103.1 v1(60,99.8) ; C1105.1 v1(60,103.8) ; X701.4 62.85,82.27 ; C1104.1 v1(60,98.8)
  F.Cu (SIG) w0.5: J801.1 v2(23.1,123.78)
  F.Cu (SIG) w1: v2(46.8,72.9) v2(57.4,72.9)
  vias: v1(10.25,72.85) v1(62.2,122.65) v1(63.4,114) v2(17.9,65.1) v2(18.85,64) v2(18.85,62.85) v2(19,65.1) v3(44,100.8) v3(44,92.8) v3(44.8,95.2) v3(44.8,87.2) v3(45.6,97.6) v3(45.6,89.6) v3(46.4,100) v3(46.4,92) v3(47.2,94.4) v3(48,88.8) v3(48.8,99.2) v3(52,100.8) v3(52.8,87.2) v3(53.6,97.6) v3(53.6,89.6) v3(54.4,100) v3(54.4,92) v3(55.2,94.4) v3(56,96.8) v3(56,88.8) v3(56.8,99.2) v3(56.8,91.2) v3(57.6,93.6) v3(60.9,116.2) v3(60.9,112)
+3V3_PG: length 149.5
  F.Cu (SIG) w0.25: v3(47.17,22.6) 46.77,22.2 U304.6 ; v1(79.2,128) 79.35,128.15 U401.45 81.1,128.15 82.79,126.46 R401.2
  In2.Cu (SIG) w0.25: v3(47.17,22.6) 51.96,22.6 53.56,21 59.83,21 63.35,17.49 78.19,17.49 v1(78.2,17.5)
  B.Cu (SIG) w0.25: v1(79.2,128) 78.8,127.6 78.8,18.1 v1(78.2,17.5)
+5V: length 19.4
  F.Cu (SIG) w0.3: 39.82,44.35 39.29,43.82 C1801.2 ; C305.2 48.65,47.35 48.7,47.4
  F.Cu (SIG) w0.5: 51.28,46.45 51.28,46.72 50.6,47.4 41.81,47.4 41,46.59 41,45.53 39.82,44.35
/Power Regulators/+1V0_PG: length 18
  F.Cu (SIG) w0.25: U303.4 39.06,52.75 ; U301.6 53.85,53.65 v3(54.25,54.05) ; 39.18,52.78 v1(39.6,53.2)
  In2.Cu (SIG) w0.25: v3(54.25,54.05) 52.65,52.45 40.35,52.45 v1(39.6,53.2)
/Power Regulators/+1V8_PG: length 27.4
  F.Cu (SIG) w0.25: U303.6 38.36,53.75 v3(38.76,54.15) ; v1(22.9,57.6) 17.66,57.6 R311.2 15.9,59.36 U305.4
  In2.Cu (SIG) w0.25: v3(38.76,54.15) 26.35,54.15 v1(22.9,57.6)
GND: length 326.3
  F.Cu (SIG) w0.1: D502.3 D502.8 ; D503.3 D503.8
  F.Cu (SIG) w0.2: U302.6 51.05,42.8 47.2,42.8 v1(47.2,42.8)
  F.Cu (SIG) w0.25: v1(73.2,24.7) 73.3,24.6 C1709.2 ; v3(22.79,69.57) 23.39,70.18 C1906.1 ; v1(48.8,104.8) 49.4,104.2 C618.2 ; v1(61.34,114.45) 61.28,114.4 U1401.12 ; C1802.1 37.94,40.78 v3(37.56,40.4) ; C1301.1 33.77,89.83 v1(34.2,89.4) ; C202.2 13.82,17.58 v1(13.8,17.6) ; 51.32,79.78 v3(50.76,79.23) ; 50.74,82.12 v3(50.29,82.57) ; C1410.1 30.72,122.52 v1(30.8,122.6) ; R202.1 9.8,16.35 v1(9.75,16.3) ; U1904.15 v3(59.25,69.25) ; U1701.33 67.1,23.12 U1701.18 ; U1701.33 66.6,23.62 U1701.16 ; U1701.33 66.6,20.12 U1701.25 ; U1701.33 70.1,20.12 U1701.1 ; U1701.33 68.1,22.12 U1701.20 ; U1701.33 68.6,21.62 U1701.29 68.6,18.43 C1702.1 ; 14.2,124.22 14.2,123.45 ; C1913.1 55.25,78.85 v3(55.2,78.9) ; v1(29.8,114.6) 30.08,114.32 J1301.50 ; 47.75,68.25 v3(47.75,69.25) ; C1402.1 62,117 v3(62.2,116.8) ; v1(3.9,20) 3.94,19.96 D203.2 ; v3(57.8,85.6) 58.1,85.3 C1201.2 ; v1(9.75,16.3) 10.76,17.31 R204.2 10.95,17.35 R206.1 ; v1(9.75,16.3) C204.2 ; U1401.52 47.01,107.2 v1(46.91,107.1) ; U1601.13 57.82,38.15 ; 57.82,38.15 57.82,39.17 v1(56.8,40.2) ; 57.82,38.15 57.82,36.2 ; SW1615.2 3.28,95.28 3.28,97.92 SW1615.2 v1(2.8,99.8) ; U1601.21 53.97,32.95 ; v1(19.2,66.2) 19.65,65.75 U1903.2 ; 39.25,75.67 v3(39.25,74.5) ; 42.25,68.25 v3(42.25,69.25) ; 50.77,84.02 v3(50.34,84.44) ; 58.9,61.3 v1(58,60.4) ; U202.4 11.41,12.91 12.16,13.66 ; v1(87.35,75.45) 85.81,76.99 Q401.2 ; v1(47,30.7) 46.97,30.72 SW1610.2 ; v1(29.8,113.9) 29.88,113.82 J1301.49 ; R502.2 R501.2 50.48,5.76 49.02,5.76 ; v1(55.4,64.8) 55.25,64.95 C1910.1 ; U202.8 13.16,12.66 12.41,13.41 ; 47.82,105.6 v1(47.01,106.41) ; C1703.2 v1(68,27.27) ; C2001.2 79.58,81.57 v3(79.75,81.4) ; R1802.1 38.85,46.81 v3(38.86,46.8) ; v4(71.3,102) 71.26,101.96 Q1201.2 70.01,101.52 R1203.2 ; v1(25.08,9.2) C201.1 U201.4 25.75,7.7 26.35,7.1 U201.9 ; C401.1 63.29,126.43 v1(63.28,126.44) ; C804.2 40.3,100.6 v3(40.15,100.45) ; v3(77.85,84.55) 77.75,84.65 U2004.2 ; C603.2 49.5,65.7 v1(49.8,66) ; C1205.2 v3(61.55,84.4) ; SW1605.2 v1(66.6,46) ; v1(46.4,79.2) 46.25,79.05 C1903.1 ; D503.3 v3(39.2,8.3) ; 40.9,101.61 v3(41.33,102.03) ; U1904.28 U1904.29 U1904.30 ; U1904.28 U1904.27 U1904.26 ; U1904.28 v3(62.25,74.5) ; 46.92,113.52 46.92,112.81 v1(46.91,112.8) ; U201.9 26.25,6.85 U201.6 ; U201.9 v1(25.35,7.1) ; U201.9 26.65,7.1 27.25,7.7 U201.1 ; U401.64 v1(81.4,114.7) ; U1901.2 22.95,67.25 v3(22.7,67) ; X701.2 65.7,86.1 v1(66.2,85.6) ; v1(61.6,78.2) 61.58,78.18 C1912.1 ; 41.84,103.48 v3(42.39,104.03) ; v4(70.5,98.62) 70.5,98.26 C403.1 ; v1(77.35,34.45) 76.4,33.5 SW1608.2 SW1608.2 ; C627.2 37.6,89.35 v3(38.07,88.88) ; v3(23.74,82.47) 23.35,82.86 U1302.2 ; U401.42 U401.43 79.85,126.45 v1(79.8,126.5) ; v3(63.85,23.2) 63.84,23.21 C1704.1 ; v3(45.05,9.22) D501.3 ; U1904.21 v3(62.25,69.25) ; U1904.21 U1904.20 U1904.19 ; U1904.21 U1904.22 ; v1(56.45,32.65) 56.8,32.3 57.82,32.3 57.82,31.65 ; 51.8,65 v1(50.6,66.2) ; v1(19.9,83.5) 19.91,83.49 R1301.2 ; v3(79.75,72.95) 79.52,73.18 C2003.2 ; C2009.1 74.87,76.63 v3(75.2,76.3) ; v3(83.5,56.1) D2001.3 D2001.8 ; v1(29.6,106.8) 29.62,106.82 J1301.35 ; U1401.6 61.2,109.6 v1(61.4,109.8) ; v3(64.5,80.7) 64.12,81.08 C901.2 ; C1708.1 63.25,21.92 v3(63.2,21.97) ; C1706.1 65.77,18.99 v1(65.9,19.12) ; v3(75.2,80.35) 74.92,80.63 C2007.1 ; v1(76.7,21.38) 76.76,21.44 R1704.2 ; C2002.2 79.53,77.32 v3(79.75,77.1) ; C1907.1 66.82,66.38 v1(66.7,66.5) ; 52.74,82.12 v3(52.29,82.57) ; 74.94,85.2 74.94,84.7 v3(75.15,84.5) ; 44.75,75.67 v3(44.75,74.5) ; C805.2 41.35,104.05 v3(41.6,104.3) ; C601.2 v1(54.1,64.9) ; D801.8 v1(14.2,122.28) ; v3(39.2,65.6) 39.28,65.68 C1902.1 ; U1904.39 v3(56.75,74.5) ; R206.1 11.9,19.2 Q201.2 ; R206.1 R201.2 13.8,18.3 ; 58.1,84.1 v3(58.6,84.6) ; v3(26.1,70) 25.92,70.18 C1905.1 ; R1805.2 v4(13.1,78.85) ; v1(83.31,13) 83.45,13.14 U1501.1 U1501.2 U1501.3 ; C806.2 40.9,105.6 v3(40.8,105.7) ; C624.2 v3(35,88.47) ; v3(75.15,87.85) 74.94,87.64 74.94,87.1 ; U2003.2 77.66,76.35 v3(77.78,76.22) ; v3(75.25,83.55) 74.9,83.19 C2006.1 ; v1(19,69) 19.32,68.68 C1909.1 ; U1401.41 v1(46.8,116) ; C617.2 50.6,104.4 v1(50,105) ; v3(50.6,78) 50.6,78.48 C609.2 ; 49.78,82.12 v3(49.4,82.5) ; Q1801.2 v3(35.76,44.7) ; R305.2 v1(84.6,125.2) ; U1904.4 v3(53.75,69.25) ; v3(65.56,80.66) 65.13,81.08 C902.2 ; C2008.1 74.87,79.07 v3(75.15,79.35) ; 38.25,44.78 v3(38.76,45.29) ; C203.2 20.28,14.28 v1(20.3,14.3) ; v1(83.7,16.5) 83.8,16.6 C1501.2 ; C1601.2 v1(54.75,29.9) ; C1203.2 v3(61.58,86.75) ; C2005.1 74.84,72.16 v3(74.95,72.05) ; v3(51.2,81.4) 51.32,81.28 C607.2 ; U1301.2 26.95,83.95 v1(27.4,84.4) ; C1707.2 59.63,22.5 v1(59,21.87) ; C304.2 48.68,42.24 ; C626.2 v3(38.7,92.6) ; 52.77,84.02 v3(52.34,84.44) ; 46.92,108.52 46.92,107.81 v1(46.91,107.8) ; v1(55.5,23) 55,22.5 C1705.2 ; v1(29.8,113.2) 29.92,113.32 J1301.48 ; C1303.1 v1(34.6,111.2) ; 48.78,42.24 48.6,42.06 ; U401.2 U401.1 v1(66.9,129.2) v1(80.9,129.2) ; C608.2 52.28,78.32 v3(51.98,78.02) ; SW1602.2 v1(67.4,53.5) ; 83.72,22.3 83.72,23.18 ; 61.58,125.3 62.42,125.3 ; U2001.2 77.65,71.86 v3(77.65,71.85) ; C1504.1 v1(27.8,0.85) ; U1402.34 45.84,121.6 C1411.1 v1(46,122.6) ; C1711.2 72.88,20.19 C1712.1 ; v1(38.77,43.22) 38.37,42.81 R1806.1 ; C802.2 v3(40.9,103.2) ; U1904.10 v3(56.75,69.25) ; 49.77,84.02 v3(49.34,84.44) ; 50.28,79.88 v3(50.8,80.4) ; 46.25,65.65 v1(45.6,65) ; C1407.1 v1(63.2,107.2) ; v3(35.76,39.9) 35.71,39.95 Q1802.2 ; 37.7,93.26 v3(37.7,92.74) ; C628.2 v3(35.03,87.55) ; v1(29.4,111) 29.58,110.82 J1301.43 ; C904.2 61.8,80.2 v3(61.44,80.56) ; U1904.22 U1904.23 ; U1904.22 62.8,68.14 v1(62.8,66.8) 62.65,66.65 C1911.1 ; v1(86.43,15.65) 86.8,15.28 C1502.1 86.32,14.3 U1501.6 U1501.7 ; C1204.2 v3(61.58,85.4) ; 67.1,80.1 v3(66.7,79.7) ; v1(30.6,124.6) 30.72,124.48 C1409.2 ; 47.75,75.67 v3(47.75,74.5) ; D502.8 v3(37.25,3.9) ; C623.2 v3(35,89.4) ; v3(50.4,81.4) 50.28,81.28 C605.2 ; C1406.1 v1(62.4,104.8) ; U202.15 12.16,13.91 ; v1(43.1,30.7) 43.12,30.72 SW1610.2 ; U1904.45 v3(53.75,74.5) ; 56.09,40.11 v1(56,40.2) ; U1401.28 v1(49.8,126.4) ; 51.74,82.12 v3(51.29,82.57) ; v1(2.8,103.7) SW1614.2 3.28,105.28 3.28,107.92 SW1614.2 ; 44.75,68.25 v3(44.75,69.25) ; C622.2 v1(30.95,85.5) ; v1(19.74,94.09) 19.6,93.95 JP1301.3 ; C1304.1 v1(34.6,110.2) ; 62.4,111.83 v1(63.14,111.09) ; C1206.2 v3(61.55,83.4) ; 51.77,84.02 v3(51.34,84.44) ; v3(75.15,75.2) 74.84,74.89 C2004.1 ; U2002.2 77.71,80.47 v3(77.8,80.37) ; 39.25,68.25 v3(39.25,69.25) ; C1305.1 v1(34.6,109.2) ; U1401.46 v1(46.91,112) ; 66.14,80.14 v3(65.7,79.7) ; 62.94,80.2 v3(62.51,80.63) ; U1904.34 v3(59.25,74.5) ; 42.25,75.67 v3(42.25,74.5) ; C1908.1 v1(22,69.5) ; 61.5,121.7 v1(62.22,121.7) ; 33.8,120.8 v1(34.6,121.6)